# Altium PCB Backplane Board.PcbDoc
Units mil, origin at the board's own origin, x right, y up, seen from the top; angles counter-clockwise.
Board outline 6590 x 7980 mil, 2 copper layers (Top Layer, Bottom Layer); 21 components, 30 nets, 156 pads, 24 vias.
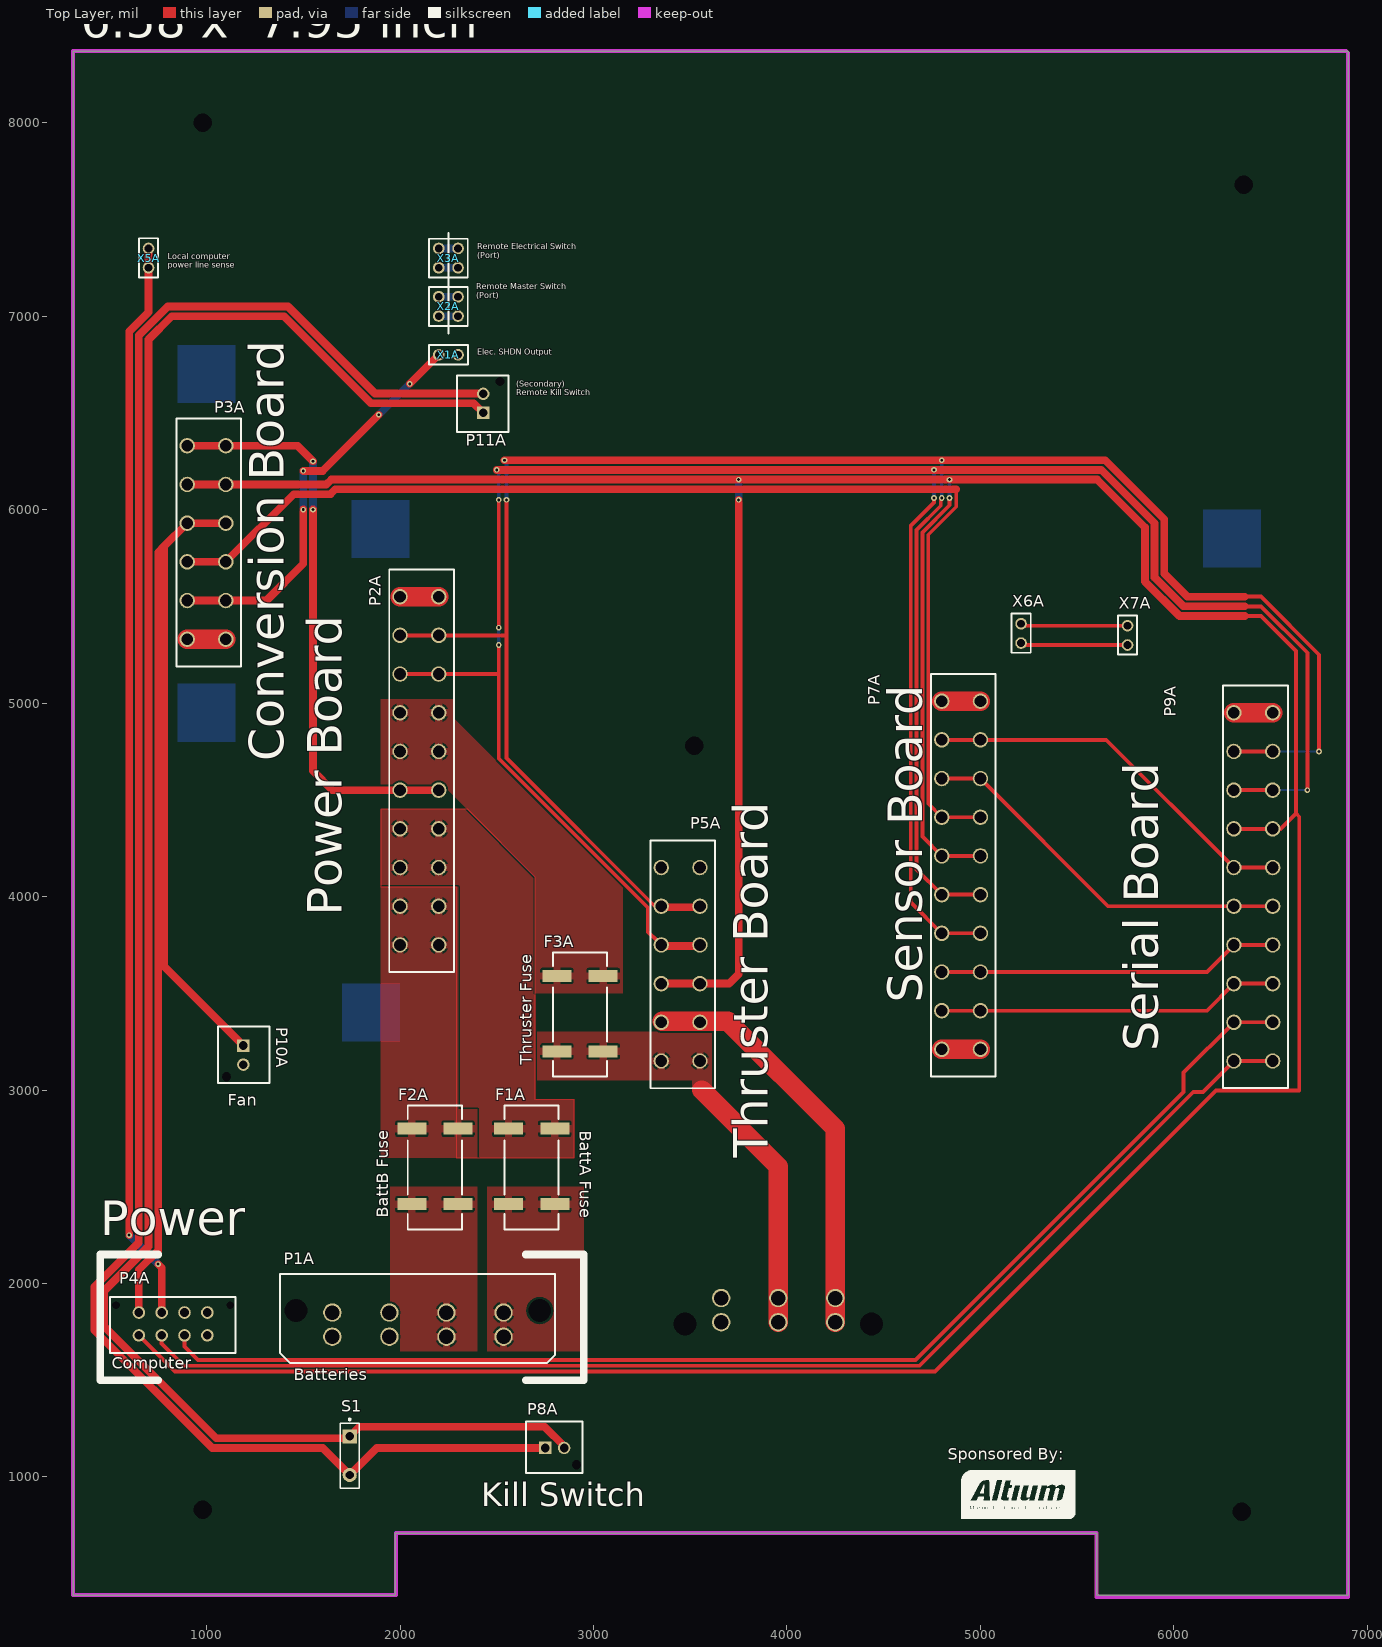
[diagram p0: Top Layer view]
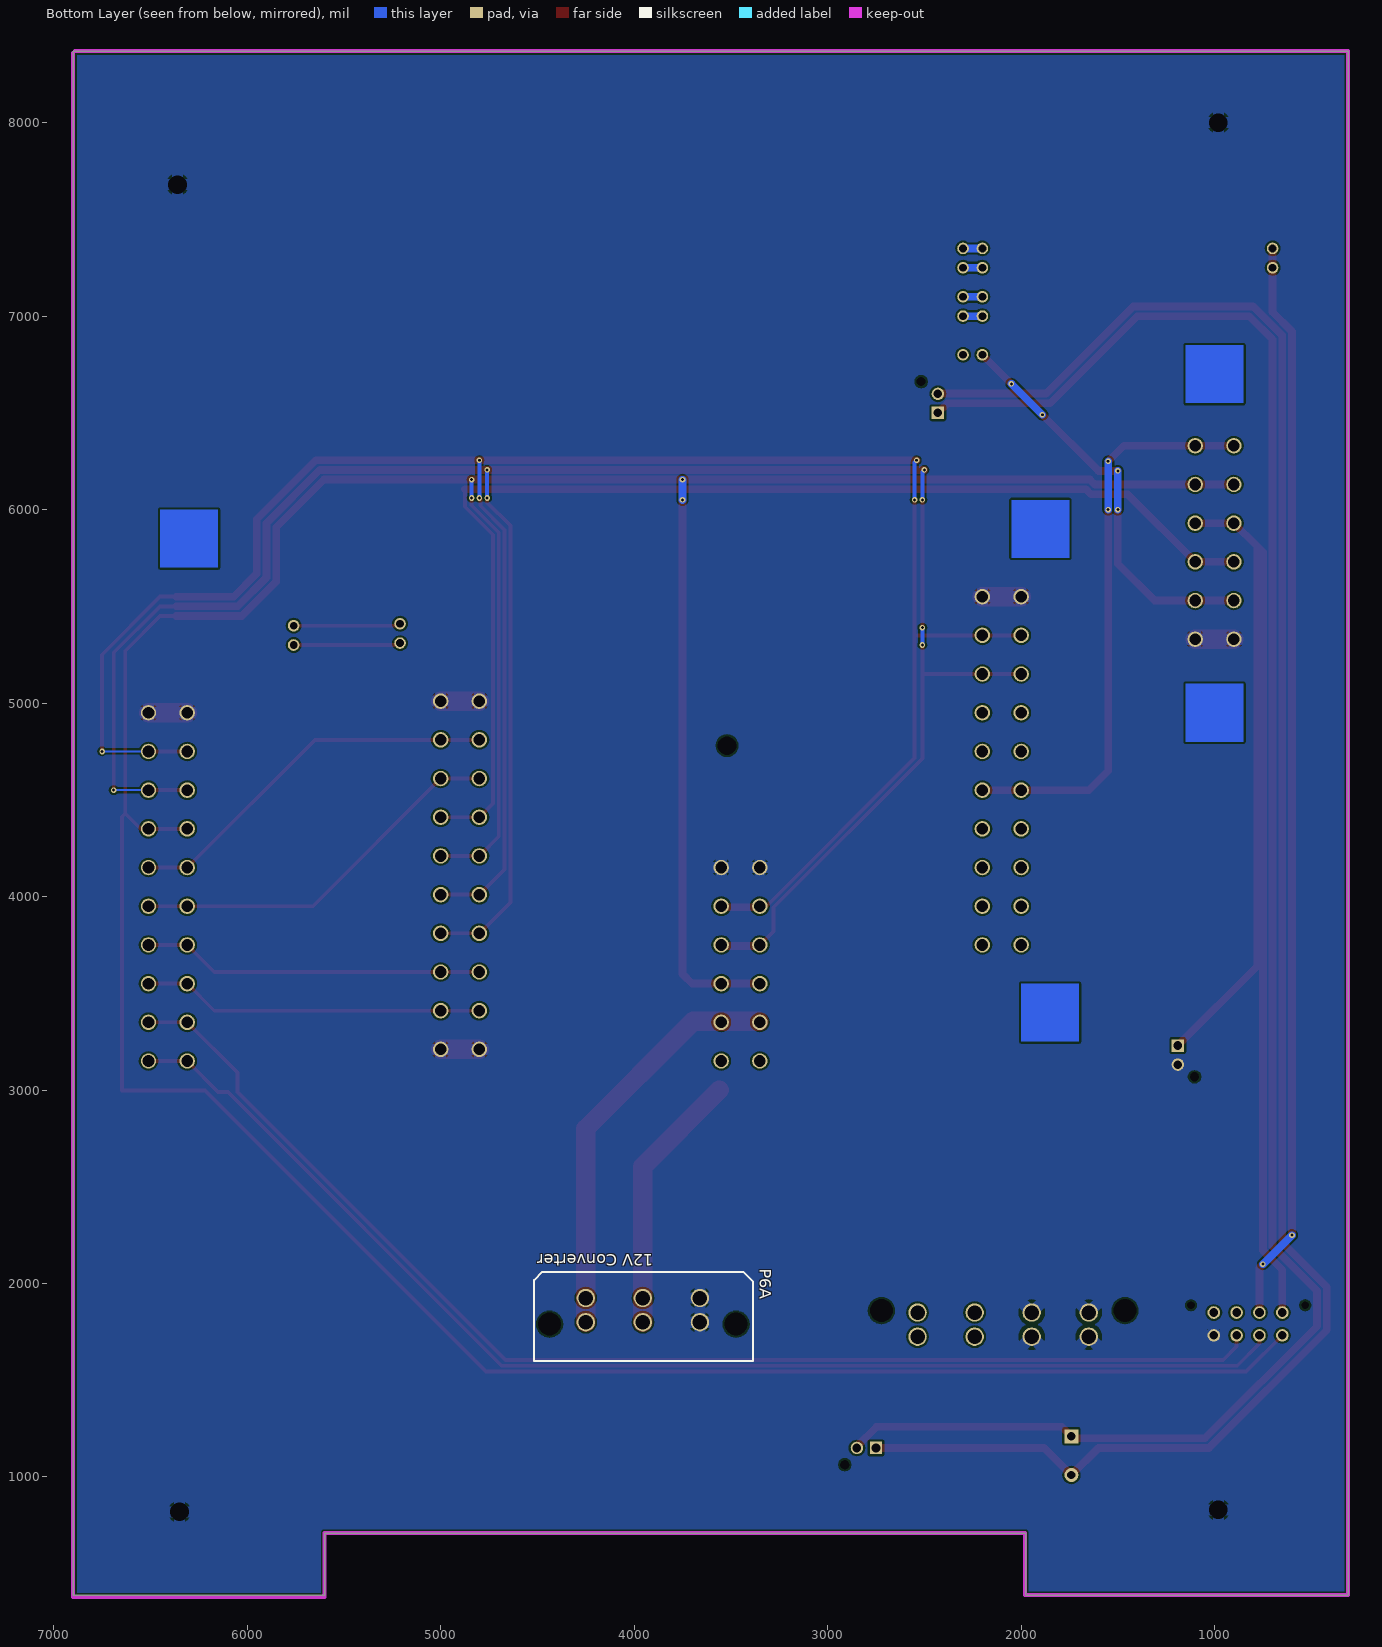
[diagram p1: Bottom Layer view, seen from below]

## Layer stack, top to bottom
Top Solder: solder mask 0.4, Solder Resist, Dk 3.5
Top Layer: signal copper 1.4
Dielectric 1: dielectric 12.6, FR-4, Dk 4.8
Bottom Layer: signal copper 1.4
Bottom Solder: solder mask 0.4, Solder Resist, Dk 3.5

## Board outline
6900,390 5600,390 5600,710 1975,710 1975,390 310,390 310,8370 1500,8370 5750,8370 6900,8370

## Design rules (kind name [scope] priority, off if disabled: settings)
Clearance [All] p1: gap=10 ignorepadtopadclearanceinfootprint=FALSE except(0: Arc-Hole Track-Hole SMDPad-Hole THPad-Hole Via-Hole Fill-Hole Poly-Hole Region-Hole Text-Hole)
ComponentClearance [All] p1 off: gap=10 collisioncheckmode=3 verticalgap=10 showdistances=FALSE
Height [All] p1: minheight=0 maxheight=10000 prefheight=500
HoleSize [All] p1: absolutevalues=TRUE maxlimit=150 minlimit=15 maxpercent=80.000 minpercent=20.000
MinimumAnnularRing [All] p1: minimumring=0.25
MinimumSolderMaskSliver [All] p1: minsoldermaskwidth=0
PolygonConnect "Battery conn GND Augmentation" [(InNet('GND') AND InComponent('P1A'))] p1: connectstyle=Relief reliefconductorwidth=60 reliefentries=4 polygonreliefangle="45 Angle" airgapwidth=20
PolygonConnect "Via Stitching" [IsVia vs InNet('BATT BUS B')] p2: connectstyle=Direct reliefconductorwidth=10 reliefentries=4 polygonreliefangle="90 Angle" airgapwidth=0
PolygonConnect Power [InNetClass('High Power')] p3: connectstyle=Relief reliefconductorwidth=40 reliefentries=4 polygonreliefangle="90 Angle" airgapwidth=10
PolygonConnect [InNet('GND')] p4: connectstyle=Relief reliefconductorwidth=60 reliefentries=4 polygonreliefangle="90 Angle" airgapwidth=10
RoomDefinition "Backplane Board" [InComponentClass('Backplane Board')] p1: confinementstyle=ConfineIn formatcopy=TRUE lockcomponents=FALSE outline 6950,450 7070,450 7070,940 6950,940
RoutingVias [All] p1: holewidth=28 width=50 viastyle="Through Hole" minholewidth=4 minwidth=18 maxholewidth=28 maxwidth=50
SilkToSilkClearance [All] p1: silktosilkclearance=7
SilkToSolderMaskClearance [IsPad] p1: minsilkscreentomaskgap=0 clearancetoexposedcopper=FALSE
SolderMaskExpansion "Covered Via" [IsVia] p1: expansion=-50
SolderMaskExpansion Vias [IsVia] p2: expansion=0
SolderMaskExpansion [All] p3: expansion=4
Width [All] p1: maxlimit=200 minlimit=10 preferedwidth=10
24 further rules are at their usual default settings.

## Classes and differential pairs
net class "High Power": "12V (BLDC SYSTEM)" "24V (MOTOR SUB-SYSTEM)" "BATT BUS A" "BATT BUS B" NetF1A_2 NetF2A_2 NetF3A_1

## Components (designator, comment, footprint, x,y, rotation, side; value= is the part's Value field where it differs from the comment)
F1A "3588" "PROTECTED FUSE CLIP" 2800,2800 r270 top
F2A "3588" "PROTECTED FUSE CLIP" 2300,2800 r270 top
F3A "3588" "PROTECTED FUSE CLIP" 3050,3590 r270 top
P1A "Main Battery Connector" "431602104 HEADER W/ PLUG" 1650,1850 r180 top
P2A "Power Board" "ICV 2,5/10-G-5,08" 2200,5550 r270 top
P3A "Conversion Board" "ICV 2,5/ 6-G-5,08" 1100,6330 r270 top
P4A "Computer Power + USB Connector" "43045-0812 Microfit Header w/ plug" 650,1850 r0 top
P5A "Thruster Board" "ICV 2,5/ 6-G-5,08" 3550,4150 r270 top
P6A "12V Converter Connector" "431602103 HEADER W/ PLUG" 4250,1800 r180 bottom
P7A "Sensor Board" "ICV 2,5/10-G-5,08" 5000,5010 r270 top
P8A "Kill Switch Connector" "533750210 header w/ plug" 2750,1150 r0 top
P9A "Serial Board" "ICV 2,5/10-G-5,08" 6510,4950 r270 top
P10A "Fan Connector" "533750210 header w/ plug" 1190,3230 r270 top
P11A "Secondary Kill Switch" "533750210 header w/ plug" 2430,6500 r90 top
S1 "SW-SPST" SPST-2 1740,1110 r270 top
X1A "Header" "1x2 Header" 2250,6800 r0 top
X2A "Header" "2x2 Header w/ division" 2250,7050 r0 top
X3A "Header" "2x2 Header w/ division" 2250,7300 r0 top
X5A "Header" "1x2 Header" 700,7300 r90 top
X6A "Header" "1x2 Header" 5210,5360 r90 top
X7A "Header" "1x2 Header" 5760,5350 r90 top

## Footprints (in the part's own frame and the unit in brackets; to place one, negate y for a bottom-side part, rotate by r counter-clockwise, add the part's x,y. Pads: shape width x height; smd on the part's side, far side on the other; paste and mask are expansions set on the pad)
"1x2 Header" [mil]
  round 60 hole 40: 1(-50,0) 2(50,0)
  silkscreen extent -100,-50 102,50, body extent -100,-50 100,50, height 374
"2x2 Header w/ division" [mil]
  round 60 hole 40: 1(-50,-50) 2(-50,50) 3(50,-50) 4(50,50)
  silkscreen extent -100,-140 100,130, body extent -100,-100 100,100, height 374
"43045-0812 Microfit Header w/ plug" [mil]
  round 0 hole 40: 0(-118,37) 0(472,37)
  round 65 hole 45: 1(0,0) 2(118,0) 3(236,0) 4(354,0) 5(0,-118) 6(118,-118) 7(236,-118) 8(354,-118)
  silkscreen extent -150,-210 500,80, body extent -140,-214 496,220, height 1157
"431602103 HEADER W/ PLUG" [mil] "3 Pin vertical Saber PCB Connector"
  round 95 hole 118: 0(-187,-10) 0(777,-10)
  round 95 hole 75: 1(0,0) 1(0,125) 2(295,0) 2(295,125) 3(590,0) 3(590,125)
  silkscreen extent -267,-200 865,260, body extent -265,-346 860,286, height 1993
"431602104 HEADER W/ PLUG" [mil] "4 Pin vertical Saber PCB Connector"
  round 95 hole 118: 0(-1072,-10) 0(187,-10)
  round 95 hole 75: 1(-885,0) 1(-885,125) 2(-590,0) 2(-590,125) 3(-295,0) 3(-295,125) 4(0,125) 4(0,0)
  silkscreen extent -1152,-200 270,260, body extent -1155,-343 265,289, height 1993
"533750210 header w/ plug" [mm] "2 pin mini-lock header, vertical"
  round 0 hole 1.2: 0(4.1,-2.2)
  rect 1.635x1.635 hole 1.127: 1(0,0)
  round 1.635 hole 1.127: 2(2.5,0)
  silkscreen extent -2.49,-3.3 4.93,3.45, body extent -2.5,-3.57 4.9,3.42, height 24.75
"ICV 2,5/10-G-5,08" [mm] "Header, Female, 10 Pin, 0deg"
  round 2.03 hole 1.53: 1(45.72,-5.08) 1(45.72,0) 2(40.64,-5.08) 2(40.64,0) 3(35.56,-5.08) 3(35.56,0) 4(30.48,-5.08) 4(30.48,0) 5(25.4,-5.08) 5(25.4,0) 6(20.32,-5.08) 6(20.32,0) 7(15.24,-5.08) 7(15.24,0) 8(10.16,0) 8(10.16,-5.08) 9(5.08,0) 9(5.08,-5.08) 10(0,0) 10(0,-5.08)
  silkscreen extent -3.55,-6.5 49.25,2, body extent -3.55,-6.45 49.25,3.75, height 18.9
"ICV 2,5/ 6-G-5,08" [mm] "Header, Female, 6 Pin, 0deg"
  round 2.03 hole 1.53: 1(25.4,-5.08) 1(25.4,0) 2(20.32,-5.08) 2(20.32,0) 3(15.24,-5.08) 3(15.24,0) 4(10.16,0) 4(10.16,-5.08) 5(5.08,0) 5(5.08,-5.08) 6(0,0) 6(0,-5.08)
  silkscreen extent -3.55,-6.5 28.97,2, body extent -3.52,-6.45 28.95,3.75, height 18.9
"PROTECTED FUSE CLIP" [mil] "Fuse clip assembly for automotive fuses"
  rect 62x150 smd: 1(0,0) 1(0,-239) 2(390,0) 2(390,-239)
  silkscreen extent -120,-260 520,20, body extent -117,-292 513,53, height 696
SPST-2 [mm] "Switch; 2 Leads"
  rect 1.85x1.85 hole 1.1: 1(-2.54,0)
  round 1.85 hole 1.1: 2(2.54,0)
  silkscreen extent -4.89,-1.27 4.28,1.27

## Part data
F1A F2A F3A: "Fuse Holder Assembly", Manufacturer 1=KEYSTONE, Supplier Part Number 1=24T5061, ComponentLink1Description=http://www.farnell.com/datasheets/1703973.pdf, ComponentLink1URL=http://www.farnell.com/datasheets/1703973.pdf, Description 1="KEYSTONE - 3588 - FUSE HOLDER, AUTO BLADE, SMT", Manufacturer Part Number=3588, Pricing 1="1=0.929, 50=0.783, 100=0.75, 250=0.686, 500=0.66, 1000=0.572, 2500=0.497, 5000=0.481 (USD)", RoHS=YES, Stock 1=99, Subassembly=Yes, Supplier 1=Newark
P1A: library part "Molex Header 4, 43160-2104", Manufacturer 1=MOLEX, Manufacturer Part Number=43160-2104, Supplier Part Number 1=56H9807, ComponentLink1Description=http://www.farnell.com/cad/1942453.pdf, ComponentLink1URL=http://www.farnell.com/cad/1942453.pdf, ComponentLink2Description=http://www.farnell.com/datasheets/1968648.pdf, ComponentLink2URL=http://www.farnell.com/datasheets/1968648.pdf, ComponentLink3Description=http://www.farnell.com/cad/1989934.zip, ComponentLink3URL=http://www.farnell.com/cad/1989934.zip, Contact Material=Brass, Contact Plating="Tin Plated Contacts", Contact Termination Type="Through Hole", Description 1="MOLEX - 43160-2104 - CONNECTOR, HEADER, 4POS, 1ROW, 7.5MM", Gender=Header, No. of Contacts=4, Pitch Spacing=7.5, Pricing 1="1=2.45, 10=2.09, 100=1.71, 500=1.53, 1000=1.38, 2000=1.29, 5000=1.25 (USD)", Product Range="Sabre 43160 Series", RoHS=YES, Stock 1=827, Supplier 1=Newark
P2A P7A P9A: library part "ICV 2,5/10-G-5,08", "Header, 10-Pin", Manufacturer 1="PHOENIX CONTACT", Supplier Part Number 1=69R9559, ComponentLink1Description=http://www.farnell.com/datasheets/528338.pdf, ComponentLink1URL=http://www.farnell.com/datasheets/528338.pdf, Description 1="PHOENIX CONTACT - ICV 2,5/10-G-5,08 - TERMINAL BLOCK, SOCKET, 10POS, TH", Manufacturer Part Number="ICV 2,5/10-G-5,08", Pricing 1="1=9.77, 10=9.51, 25=9.26, 50=8.89, 100=8.17, 250=7.55, 500=7.2, 1000=6.4 (USD)", RoHS=YES, Stock 1=50, Supplier 1=Newark
P3A P5A: library part "ICV 2,5/ 6-G-5,08", "Header, 6-Pin", Manufacturer 1="PHOENIX CONTACT", Supplier Part Number 1=69R9557, ComponentLink1Description=http://www.farnell.com/datasheets/528336.pdf, ComponentLink1URL=http://www.farnell.com/datasheets/528336.pdf, Description 1="PHOENIX CONTACT - ICV 2,5/ 6-G-5,08 - TERMINAL BLOCK, SOCKET, 6POS, TH", Manufacturer Part Number="ICV 2,5/ 6-G-5,08", Pricing 1="1=5.83, 10=5.67, 25=5.52, 50=5.3, 100=4.87, 250=4.5, 500=4.29, 1000=3.82 (USD)", RoHS=YES, Stock 1=167, Supplier 1=Newark
P4A: library part "Molex Header 8, 43045-0812", Manufacturer 1=MOLEX, Manufacturer Part Number=43045-0812, Supplier Part Number 1=89C1127, ComponentLink1Description=http://www.farnell.com/cad/1243826.pdf, ComponentLink1URL=http://www.farnell.com/cad/1243826.pdf, ComponentLink2Description=http://www.farnell.com/datasheets/1964610.pdf, ComponentLink2URL=http://www.farnell.com/datasheets/1964610.pdf, ComponentLink3Description=http://www.farnell.com/cad/1976739.zip, ComponentLink3URL=http://www.farnell.com/cad/1976739.zip, Description 1="MOLEX - 43045-0812 - PLUG & SOCKET CONNECTOR, HEADER, 8 POSITION, 3MM", Pricing 1="1=1.72, 10=1.4, 100=1.27, 500=1.01, 1000=0.92, 2000=0.784 (USD)", RoHS=YES, Stock 1=174, Supplier 1=Newark
P6A: library part "Molex Header, 431602103", Manufacturer 1=MOLEX, Manufacturer Part Number=43160-2103, Supplier Part Number 1=56H9806, ComponentLink1Description=http://www.farnell.com/cad/1942453.pdf, ComponentLink1URL=http://www.farnell.com/cad/1942453.pdf, ComponentLink2Description=http://www.farnell.com/datasheets/1968276.pdf, ComponentLink2URL=http://www.farnell.com/datasheets/1968276.pdf, ComponentLink3Description=http://www.farnell.com/cad/1976713.zip, ComponentLink3URL=http://www.farnell.com/cad/1976713.zip, Contact Material=Brass, Contact Plating="Tin Plated Contacts", Contact Termination Type="Through Hole", Description 1="MOLEX - 43160-2103 - CONNECTOR, HEADER, 3POS, 1ROW, 7.5MM", Gender=Header, No. of Contacts=3, Pitch Spacing=7.5, Pricing 1="1=1.73, 10=1.48, 100=1.21, 500=1.09, 1000=0.975, 2000=0.91, 5000=0.885 (USD)", Product Range="Sabre 43160 Series", RoHS=YES, Stock 1=762, Supplier 1=Newark
P8A P10A P11A: library part "Molex Header 2,  53375-0210", Manufacturer 1=MOLEX, Manufacturer Part Number=53375-0210, Supplier Part Number 1=57H5345, ComponentLink1Description=http://www.farnell.com/datasheets/1024877.pdf, ComponentLink1URL=http://www.farnell.com/datasheets/1024877.pdf, ComponentLink2Description=http://www.farnell.com/cad/1843463.pdf, ComponentLink2URL=http://www.farnell.com/cad/1843463.pdf, ComponentLink3Description=http://www.farnell.com/datasheets/1957448.pdf, ComponentLink3URL=http://www.farnell.com/datasheets/1957448.pdf, ComponentLink4Description=http://www.farnell.com/cad/1990318.zip, ComponentLink4URL=http://www.farnell.com/cad/1990318.zip, Contact Plating="Tin Plated Contacts", Contact Termination Type="Through Hole", Description 1="MOLEX - 53375-0210 - WIRE-BOARD CONNECTOR HEADER, 2 POSITION, 2.5MM", Gender=Header, No. of Contacts=2, No. of Rows=1, Pitch Spacing=2.5, Pricing 1="1=0.49, 10=0.37, 100=0.3, 500=0.293, 1000=0.254, 2000=0.208, 5000=0.205, 10000=0.192 (USD)", Product Range="Mini-Lock 53375 Series", RoHS=YES, Stock 1=5139, Supplier 1=Newark
S1: "Single-Pole, Single-Throw Switch", LatestRevisionDate=17-Jul-2002, LatestRevisionNote="Re-released for DXP Platform.", PackageDescription="Switch; 2 Leads", PackageReference=SPST-2, Published=24-Mar-1999, Publisher="Altium Limited"
X1A X5A X6A X7A: library part "1x2 Header", "1x2 Header"
X2A X3A: library part "2x2 Header", "2x2 Header"

## Free pads (board coordinates)
  round 60 hole 96.06: 3(980,830) 3(980,8000) 3(3520,4780) 3(6350,820) 3(6360,7680)

## Via types
v1: diameter 29, hole 15, Top Layer to Bottom Layer, 24 vias

## Nets (pads, with @x,y where several pads share a name; then routed paths per layer and width w, separated by ;. In a path a pad name is that pad's centre, name@x,y a point inside that pad or via, vN(x,y) a via of type N, cw(c..) or ccw(c..) an arc to the next point about the centre after c; other vN are vias at no path point)
5V: P3A.5 P4A.5 P5A.3 P7A.6 P9A.7 | length 20775.3
  Top Layer w10: P9A.7@6510,4350 6550,4350
  Top Layer w20: P4A.5 837,1545 4765,1545 6217.57,2997.57 6647.57,2997.57 6647.57,4412.43 6630,4430 ; v1(4840,6060) 4840,6022.43 4700,5882.43 4700,4310 4800,4210 P7A.6@5000,4210 ; P9A.7@6310,4350 P9A.7@6510,4350 ; 6366.46,5450 6450,5450 6630,5270 6630,4430 ; 6550,4350 6630,4430
  Top Layer w40: P3A.5@900,6130 1100,6130 1619.29,6130 1644.29,6155 v1(4840,6155) 5603.58,6155 5850,5908.58 5850,5628.58 6028.58,5450 6366.46,5450 ; P5A.3@3375,3550 3550,3550 3700,3550 3750,3600 v1(3750,6050)
  Bottom Layer w20: v1(4840,6060) v1(4840,6155)
  Bottom Layer w40: v1(3750,6050) v1(3750,6154.64)
9V: P3A.3 P7A.7 | length 6114.4
  Top Layer w20: 4875,6105 4875,6015 4730,5870 4730,4480 4800,4410 P7A.7@5000,4410
  Top Layer w40: P3A.3@900,5730 1100,5730 1450,6080 1640,6080 1664.64,6104.64 4741.01,6104.64 4741.36,6105 4875,6105
"12V (BLDC SYSTEM)": P5A.2 P6A.1 | length 2124.9
  Top Layer w100: P5A.2@3355,3355 3695,3355 4250,2800 4250,1925 P6A.1@4250,1800
"12V (Computer)": P3A.4 P4A.1 P10A.1 | length 7133.4
  Top Layer w10: 750,5770 750,5780
  Top Layer w40: P4A.1 650,2070.71 750,2170.71 750,5770 ; 750,5780 780,5810 ; P3A.4@1100,5930 900,5930 780,5810 ; P10A.1 780,3640 780,5810
"24V (ELECTRONIC SYSTEMS)": P2A.5 P3A.6 | length 2974.6
  Top Layer w40: P3A.6@900,6330 1100,6330 1470,6330 v1(1550,6250) ; v1(1550,6000) 1550,4650 1650,4550 2000,4550 P2A.5@2200,4550
  Bottom Layer w40: v1(1550,6000) v1(1550,6250)
"24V (MOTOR SUB-SYSTEM)": F3A.2 P5A.1 P6A.2 | length 1363.6
  Top Layer w100: 3560,3000 3955,2605 3955,1925 P6A.2@3955,1800
"BATT BUS A": F1A.1 P2A.3 P2A.4
"BATT BUS B": F2A.1 P2A.1 P2A.2
D+: P4A.6 P9A.1 | length 6484.3
  Top Layer w20: P4A.6 768,1689.57 882.57,1575 4685,1575 6100,2990 6150,2990 6310,3150 P9A.1@6510,3150
D-: P4A.7 P9A.2 | length 6492
  Top Layer w20: P4A.7 886,1674 955,1605 4665,1605 6050,2990 6050,3090 6310,3350 P9A.2@6510,3350
GND: P1A.3 P1A.4 P2A.10 P3A.1 P4A.8 P5A.6 P6A.3 P7A.1 P7A.10 P9A.10 P10A.2 pad.3@980,830 pad.3@980,8000 pad.3@6350,820 pad.3@6360,7680 | length 1000
  Top Layer w100: P3A.1@900,5330 P3A.1@1100,5330 ; P2A.10@2000,5550 P2A.10@2200,5550 ; P7A.1@4800,3210 P7A.1@5000,3210 ; P7A.10@4800,5010 P7A.10@5000,5010 ; P9A.10@6310,4950 P9A.10@6510,4950
"KILL ELECTRONICS": P3A.2 X1A.1 | length 2107.2
  Top Layer w40: P3A.2@900,5530 1100,5530 1310,5530 1500,5720 v1(1500,6000) ; v1(1500,6200) 1600,6200 v1(1890,6490) ; v1(2050,6650) X1A.1
  Bottom Layer w40: v1(1500,6000) v1(1500,6200) ; v1(1890,6490) v1(2050,6650)
NetF1A_2: F1A.2 P1A.1
NetF2A_2: F2A.2 P1A.2
NetF3A_1: F3A.1 P2A.6 P2A.7
NetP8A_1: P8A.1 P11A.2 S1.2 | length 9963.5
  Top Layer w10: P11A.2@2428.43,6600 P11A.2
  Top Layer w40: P11A.2@2428.43,6600 1870.71,6600 1420.71,7050 800,7050 650,6900 650,2212.13 420,1982.13 420,1759.29 1029.29,1150 1600,1150 S1.2 1880,1150 P8A.1
NetX2A_2: X2A.2 X2A.4 | length 100
  Bottom Layer w40: X2A.2 X2A.4
NetX3A_2: X3A.2 X3A.4 | length 100
  Bottom Layer w40: X3A.2 X3A.4
NetX6A_1: X6A.1 X7A.1 | length 568.3
  Top Layer w10: X6A.1 X6A.1@5220,5300 ; X7A.1@5750,5310 X7A.1
  Top Layer w20: X6A.1@5220,5300 X7A.1
NetX6A_2: X6A.2 X7A.2 | length 568.3
  Top Layer w10: X6A.2 X6A.2@5220,5400 ; X7A.2@5750,5410 X7A.2
  Top Layer w20: X6A.2@5220,5400 X7A.2
"REMOTE ELECTRICAL POWER": X3A.1 X3A.3 | length 100
  Bottom Layer w40: X3A.1 X3A.3
"REMOTE MASTER POWER": X2A.1 X2A.3 | length 100
  Bottom Layer w40: X2A.1 X2A.3
RS232.IMU.DOWNSTREAM: P7A.2 P9A.3 | length 1768
  Top Layer w20: P7A.2@4800,3410 5000,3410 6170,3410 6310,3550 P9A.3@6510,3550
RS232.IMU.UPSTREAM: P7A.3 P9A.4 | length 1768
  Top Layer w20: P7A.3@4800,3610 5000,3610 6170,3610 6310,3750 P9A.4@6510,3750
S.KILLSWITCH: P8A.2 P11A.1 S1.1 | length 9875.7
  Top Layer w10: S1.1@1730,1200 S1.1
  Top Layer w40: S1.1@1730,1200 1050,1200 470,1780 470,1961.42 700,2191.42 700,6879.29 820.71,7000 1400,7000 1850,6550 2380,6550 P11A.1 ; S1.1 1790,1260 2746.8,1260 2848.43,1158.37 P8A.2
SCL: P2A.9 P5A.5 P7A.5 P9A.9 | length 11680
  Top Layer w20: P2A.9@2000,5350 2200,5350 2540,5350 ; v1(2550,6050) 2550,4716.87 3321.87,3945 P5A.5@3345,3945 ; v1(4800,6060) 4795,6055 4795,6019.85 4670,5894.85 4670,4140 4800,4010 P7A.5@5000,4010 ; P9A.9@6310,4750 P9A.9@6510,4750 ; 6366.46,5550 6450,5550 6750,5250 v1(6750,4750)
  Top Layer w40: v1(2540,6255) v1(4800,6255) 5645,6255 5950,5950 5950,5670 6070,5550 6366.46,5550 ; P5A.5@3345,3945 P5A.5@3545,3945
  Bottom Layer w10: P9A.9@6510,4750 v1(6750,4750)
  Bottom Layer w20: v1(2540,6255) 2550,6245 v1(2550,6050) ; v1(4800,6060) v1(4800,6255)
SDA: P2A.8 P5A.4 P7A.4 P9A.8 | length 12052.3
  Top Layer w20: P2A.8@2000,5150 2200,5150 2500,5150 ; v1(2510,5300) 2510,4714.44 3280,3944.44 3280,3820 3335,3765 P5A.4@3335,3745 ; v1(2510,5390) v1(2510,6050) ; v1(4760,6060) 4760,6037.43 4640,5917.43 4640,3970 4800,3810 P7A.4@5000,3810 ; P9A.8@6310,4550 P9A.8@6510,4550 ; 6366.46,5500 6450,5500 6690,5260 v1(6690,4550)
  Top Layer w40: v1(2500,6205) v1(4760,6205) 5624.29,6205 5900,5929.29 5900,5649.29 6049.29,5500 6366.46,5500 ; P5A.4@3335,3745 P5A.4@3535,3745
  Bottom Layer w10: P9A.8@6510,4550 v1(6690,4550)
  Bottom Layer w20: v1(2500,6205) 2510,6195 v1(2510,6050) ; v1(2510,5300) v1(2510,5390) ; v1(4760,6060) v1(4760,6205)
UART.ACOUSTICS.DOWNSTREAM: P7A.9 P9A.6 | length 1983.4
  Top Layer w20: P7A.9@4800,4810 5000,4810 5650,4810 6310,4150 P9A.6@6510,4150
UART.ACOUSTICS.UPSTREAM: P7A.8 P9A.5 | length 1983.4
  Top Layer w20: P7A.8@4800,4610 5000,4610 5660,3950 6310,3950 P9A.5@6510,3950
VSENSE.COMPUTER: P4A.2 X5A.1 X5A.2 | length 5611
  Top Layer w40: v1(600,2250) 600,6920.71 700,7020.71 X5A.1 X5A.2 ; v1(750,2100) 768,2082 P4A.2
  Bottom Layer w40: v1(600,2250) v1(750,2100)
pads on no net: P1A.0 P4A.0 P4A.3 P4A.4 P6A.0 P8A.0 P10A.0 P11A.0 X1A.2

## Polygon pours and split planes (outlines as drawn)
no net on Top Layer "Batt Bus A" (solid, pour order 53): 1900,4450 1900,4050 2290,4050 2290,2650 2900,2650 2900,2950 2700,2950 2700,4100 2350,4450
"BATT BUS A" on Top Layer "Batt Bus A" (solid, pour order 52): 1900,4450 1900,4050 2290,4050 2290,2650 2900,2650 2900,2950 2700,2950 2700,4100 2350,4450
"BATT BUS B" on Top Layer "Batt Bus B" (solid, pour order 50): 1900,4050 1900,2650 2400,2650 2400,2900 2300,2900 2300,4050
"24V (MOTOR SUB-SYSTEM)" on Top Layer "Motor Pwr 24V 2" (solid, pour order 47): 2710,3300 2710,3050 3510,3050 3510,2990 3610,2990 3610,3300
NetF3A_1 on Top Layer "Motor Pwr 24V 1" (solid, pour order 51): 1900,5020 1900,4550 2250,4550 2700,4100 2700,3500 3150,3500 3150,4050 2280,4920 2280,5020
NetF2A_2 on Top Layer "Ground Plane" (solid, pour order 48): 1950,2500 2400,2500 2400,1650 2000,1650 2000,1870 1950,1870
NetF1A_2 on Top Layer "Ground Plane" (solid, pour order 49): 2450,2500 2450,1650 2950,1650 2950,2500
GND on Bottom Layer "GND" (solid, pour order 62): 6900,390 5600,390 5600,710 1975,710 1975,390 310,390 310,8370 1500,8370 5750,8370 6900,8370

## Keep-outs
Keep-Out Layer:
  lines w20: 310,8370 310,390 1980,390 1980,710 5600,710 5600,380 6900,380 ; 315,8370 1065,8370 1440,8370 2502.5,8370 4627.5,8370 5690,8370 6890,8370 ; 6900,390 6900,8360

## Other copper
Bottom Layer:
  rectangle: 6150,5700 6450,6000
  rectangle: 850,6550 1150,6850
  rectangle: 850,4800 1150,5100
  rectangle: 1750,5750 2050,6050
  rectangle: 1700,3250 2000,3550

## Silkscreen, mask and mechanical layers (free items; w line width, h text height)
Top Overlay:
  drawing of 1846 lines, arcs and shapes, not listed
  text "6.58 x  7.95 inch" at 350,8440 h180
  text "Remote Electrical Switch / (Port)" at 2400,7300 h30
  text "Local computer / power line sense" at 800,7250 h30
  text "Remote Master Switch / (Port)" at 2393,7093 h30
  text "Elec. SHDN Output" at 2400,6800 h30
  text "(Secondary) / Remote Kill Switch" at 2600,6590 h30
  text "Conversion Board" at 1400,4700 h180 r90
  text "Power Board" at 1700,3900 h180 r90
  text "Sensor Board" at 4700,3450 h180 r90
  text "Serial Board" at 5920,3200 h180 r90
  text "Thruster Fuse" at 2680,3130 h60 r90
  text "Fan" at 1110,2920 h60
  text "BattA Fuse" at 2930,2790 h60 r270
  text "Thruster Board" at 3900,2650 h180 r90
  text "BattB Fuse" at 1940,2340 h60 r90
  text "Power" at 450,2250 h180
  text "Computer" at 510,1560 h60
  text "Batteries" at 1450,1500 h60
  text "Sponsored By:" at 4830,1090 h60
  text "Kill Switch" at 2420,850 h120
Bottom Overlay:
  text "12V Converter" at 3900,2150 h60 r180